# EAGLE board Mk4 Final Panel (EAGLE 9.0.1), part 13 of 18
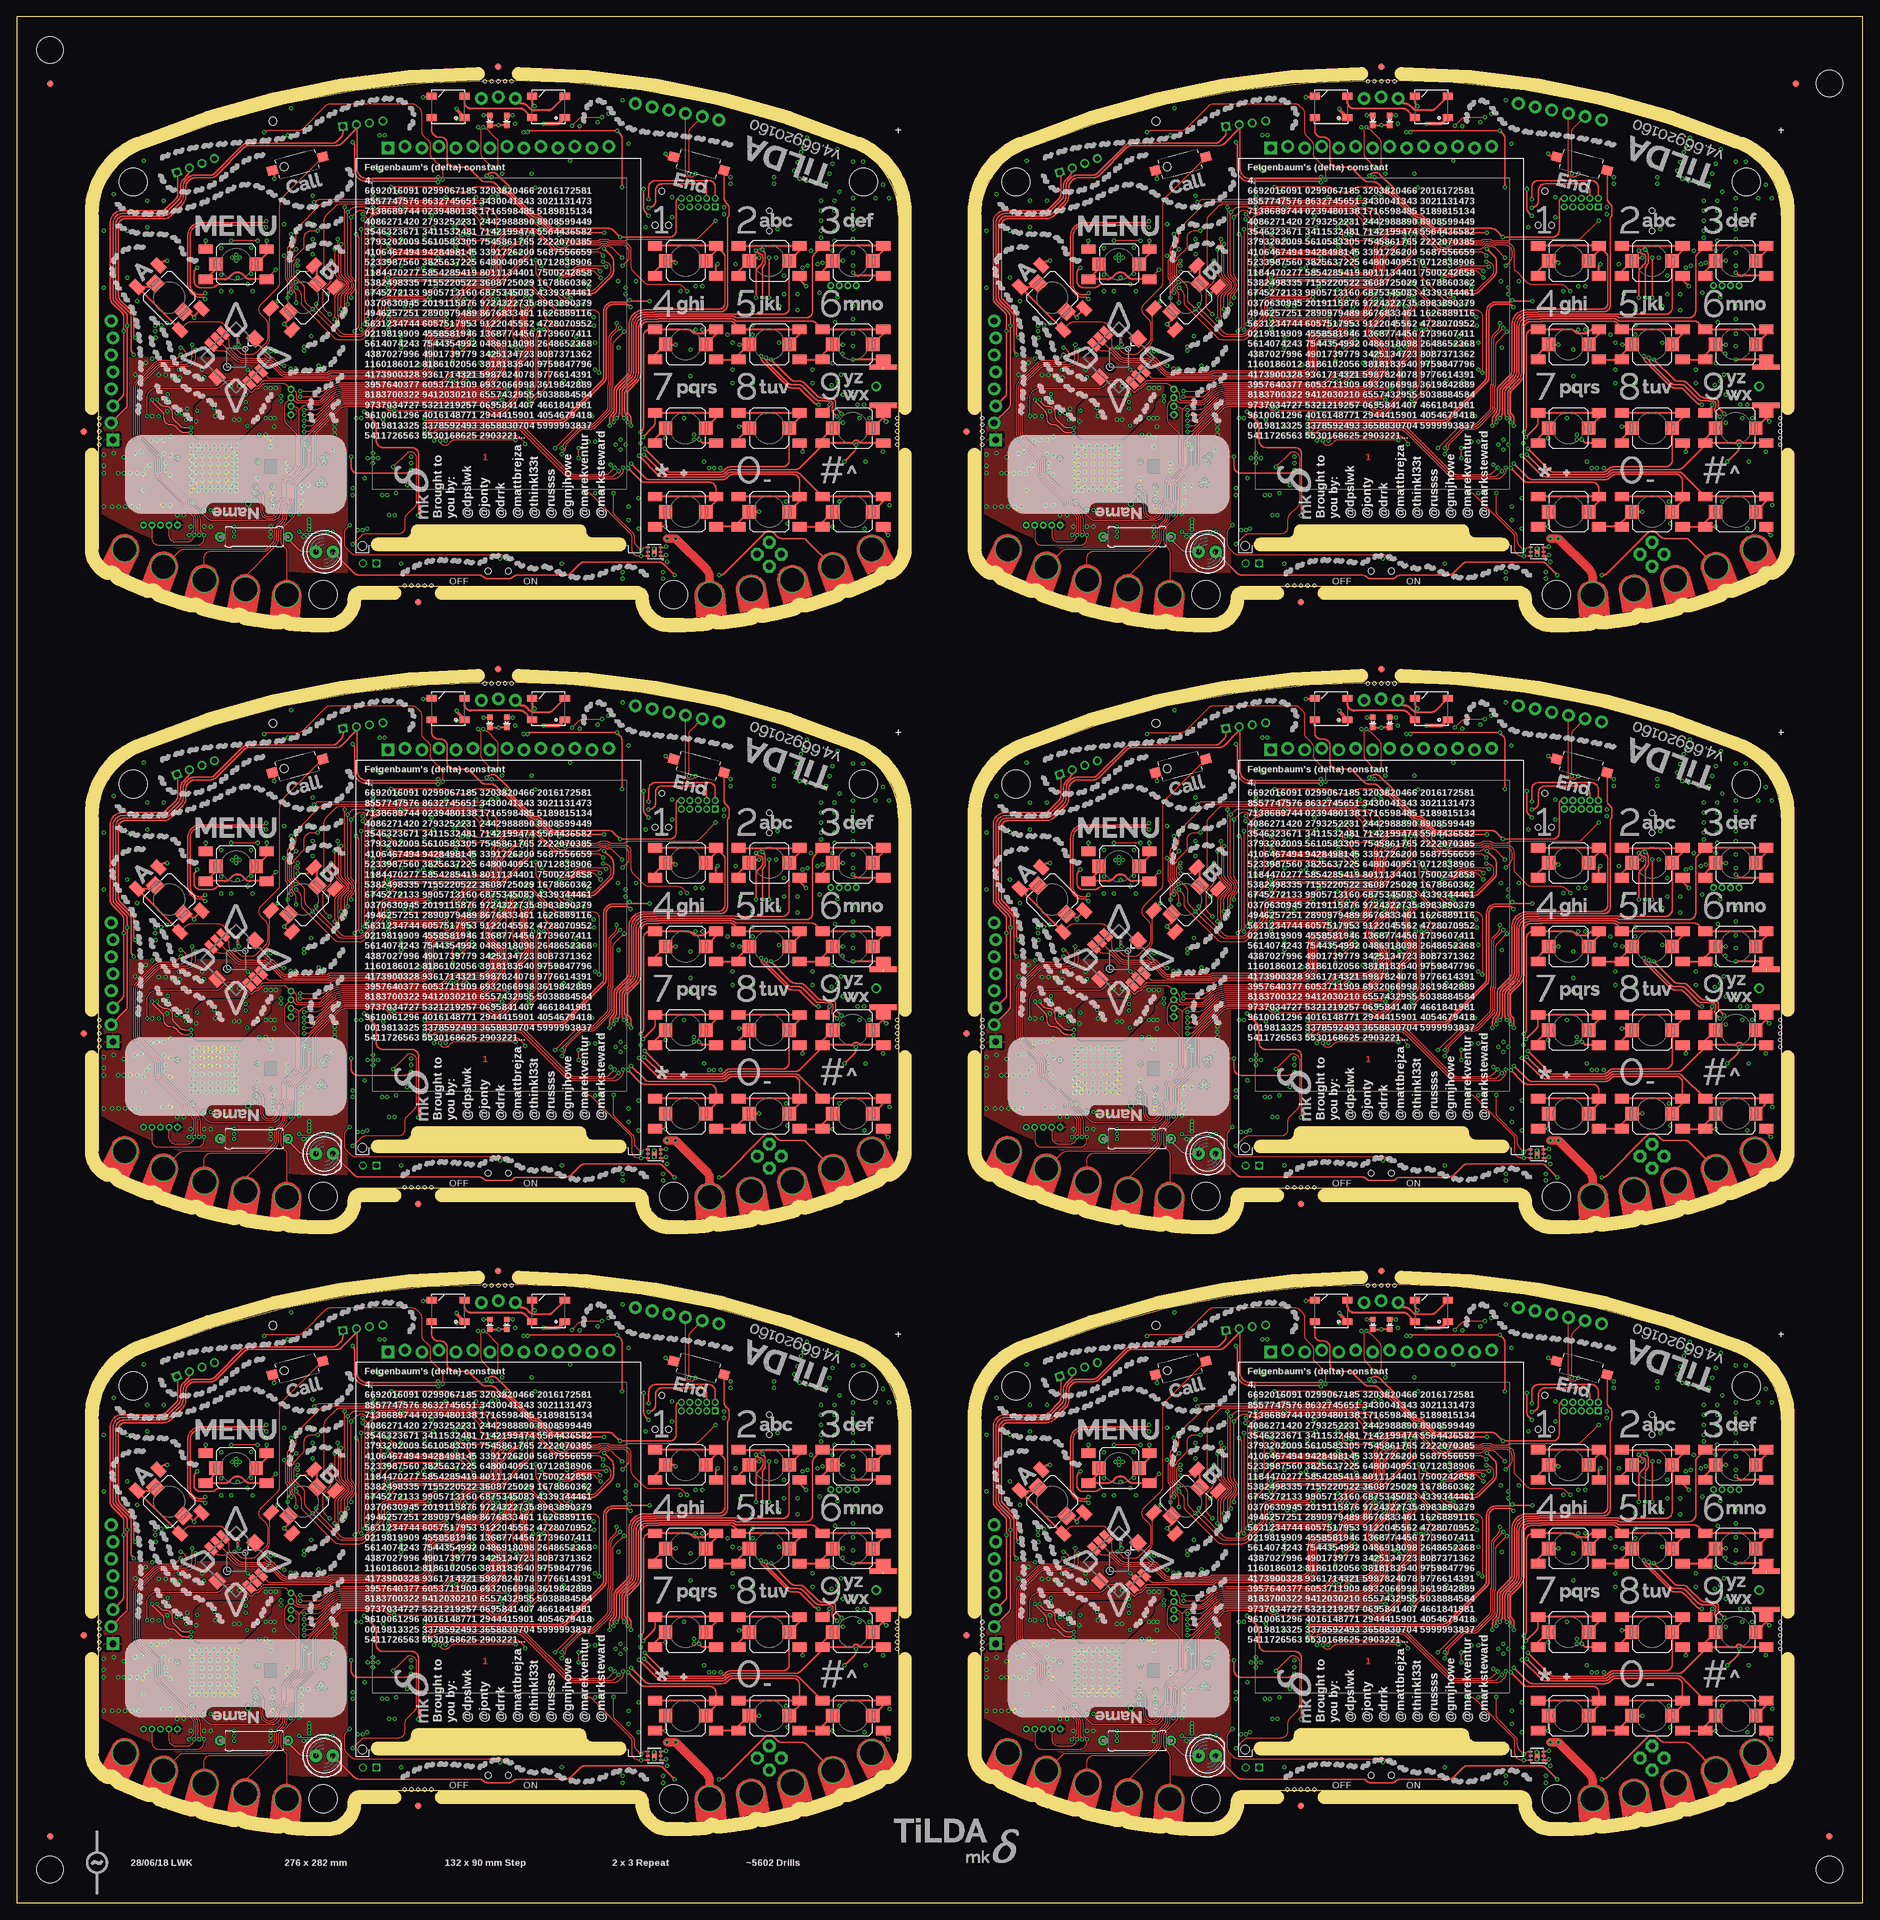
[diagram p0: board, top side]
## Tracks (layer width: path | path; a pad name or v marks a point on that pad's centre or on a via) (continued)
SDRAM_A44  (via drill 0.3) (continued)
  Top 0.15: v180,158.75 179.97,158.72 179.97,157.58 arc45 180.02,157.48 arc-45 180.07,157.34 180.07,153.8 arc45 180.37,153.09 181.24,152.23 arc-90 181.24,151.52 180.27,150.55 arc45 179.97,149.85 179.97,147.4 180.03,147.35 180.03,146.03 v180,146 | v200.25,156 199.54,156.71 arc45 198.84,157 195.67,157 arc-45 195.53,157.06 195.53,157.07 arc45 195.38,157.12 188.79,157.12 arc-45 188.08,157.42 v187.5,158
  Bottom 0.15: v200.25,156 201.11,155.14 arc-45 201.4,154.44 IC56.23 | v180,158.75 180.09,158.75 arc-45 180.79,158.46 180.96,158.29 arc45 181.66,158 185.42,158 arc-45 185.56,157.94 arc45 185.66,157.9 IC55.10 186.82,157.9 arc45 186.96,157.96 arc-45 187.06,158 v187.5,158 | IC55.30 175.59,145.9 arc45 175.69,145.94 arc-45 175.83,146 v180,146
SDRAM_A45  (via drill 0.3)
  Top 0.15: v179.5,157.25 179.5,155.74 179.53,155.72 179.53,153.93 arc45 179.82,153.22 180.99,152.05 arc-90 180.99,151.7 179.79,150.5 arc45 179.5,149.8 v179.5,146.75 | v200.25,155.25 199.09,156.41 arc45 198.39,156.7 195.55,156.7 arc-45 195.41,156.76 195.4,156.77 arc45 195.26,156.82 188.34,156.82 arc-45 187.63,157.12 v187.5,157.25
  Bottom 0.15: v200.25,155.25 200.71,154.79 arc-45 201,154.09 IC56.24 | v179.5,157.25 185.42,157.25 arc-45 185.56,157.19 185.59,157.16 arc45 185.73,157.1 IC55.11 186.77,157.1 arc45 186.91,157.16 186.94,157.19 arc-45 187.08,157.25 v187.5,157.25 | IC55.31 175.7,146.7 arc-45 175.82,146.75 v179.5,146.75
SDRAM_A46  (via drill 0.3)
  Top 0.15: v200.3,154.3 198.49,156.11 arc45 197.79,156.4 195.43,156.4 arc-45 195.28,156.46 195.28,156.47 arc45 195.13,156.53 188.94,156.53 arc45 188.23,156.23 v187.5,155.5 | v179,155.5 179,152.83 arc-45 178.71,152.12 178.14,151.56 arc45 177.85,150.85 177.85,148.81 arc45 178.14,148.11 v178.75,147.5
  Bottom 0.15: v187.5,155.5 IC55.13 v179,155.5 | IC55.32 v178.75,147.5 | IC56.25 200.6,149.26 200.62,149.28 200.62,153.56 arc45 200.33,154.27 v200.3,154.3
SDRAM_A47  (via drill 0.3)
  Top 0.15: v193.75,150.1 v193.74,150.09 arc-45 193.04,149.8 187.75,149.8 arc90 186.5,148.55 186.5,147.5 arc-45 186.21,146.79 183.88,144.47 arc-45 183.18,144.18 180.74,144.18 arc-45 180.03,144.47 v176.25,148.25 175.29,149.21 arc-45 175,149.91 175,151.33 arc45 174.71,152.03 173.47,153.27 arc-45 173.4,153.45 173.4,154.69 arc-45 173.55,155.05 v174,155.5
  Bottom 0.15: IC55.42 v174,155.5 | IC55.33 175.7,148.3 arc45 175.82,148.25 v176.25,148.25 | IC56.40 195.66,151.6 arc45 194.96,151.31 v193.75,150.1
SDRAM_A48  (via drill 0.3)
  Top 0.15: v173.75,149.25 173.75,150.34 arc45 173.46,151.05 173.38,151.12 arc-45 173.16,151.65 173.16,152.58 arc45 173.09,152.76 172.87,152.98 arc-45 172.8,153.16 172.8,155.24 arc-45 172.95,155.59 173.02,155.67 arc45 173.16,156.02 173.16,156.25 arc-45 173.46,156.96 v173.75,157.25 | v194.65,151.75 193.32,150.42 arc-45 192.61,150.12 187.5,150.12 arc90 186,148.62 186,147.42 arc-45 185.71,146.72 183.76,144.77 arc-45 183.05,144.47 181.2,144.47 arc-45 180.49,144.77 177.04,148.22 arc-45 176.75,148.92 v176.75,149
  Bottom 0.15: IC55.44 174.65,157.1 174.65,157.1 arc45 174.29,157.25 v173.75,157.25 | v173.75,149.25 174.29,149.25 arc-45 174.65,149.1 IC55.34 176.51,149.1 arc-45 v176.75,149 | IC56.41 195.25,152 arc45 v194.65,151.75
SDRAM_A49  (via drill 0.3)
  Top 0.15: v187.5,148.25 187.57,148.18 197.35,148.18 arc45 198.06,148.47 198.9,149.31 arc45 199.05,149.66 v199.05,149.8 | v180.5,148.25 180.5,149.95 arc-45 180.79,150.65 181.48,151.34 arc90 181.48,152.4 180.79,153.09 arc-45 180.5,153.8 v180.5,158
  Bottom 0.15: IC55.45 175.82,157.9 arc45 175.96,157.96 arc-45 176.06,158 v180.5,158 | v187.5,148.25 187,148.25 186.95,148.3 IC55.22 185.8,148.3 arc-45 185.68,148.25 v180.5,148.25 | IC56.50 197.54,155.6 arc-45 198.24,155.31 198.76,154.79 arc-45 199.05,154.09 v199.05,149.8
SDRAM_A50  (via drill 0.3)
  Top 0.15: v173,150.75 173,151.08 172.86,151.22 172.86,152.46 arc45 172.79,152.64 172.57,152.85 arc-45 172.5,153.03 172.5,155.37 arc-45 172.65,155.72 172.72,155.79 arc45 172.86,156.14 172.86,156.95 arc-45 173.16,157.66 173.46,157.96 arc45 173.75,158.66 v173.75,160.25 177.53,164.03 arc-45 178.24,164.32 188.73,164.32 188.79,164.38 arc-90 190.21,164.38 190.42,164.18 200.97,164.18 arc-45 v201.47,163.97
  Bottom 0.15: IC55.48 174.55,160.3 174.5,160.25 v173.75,160.25 | IC55.36 174.55,150.7 174.5,150.75 v173,150.75 | v201.47,163.97 201.8,163.64 IC56.75
SDRAM_A51  (via drill 0.3)
  Top 0.15: v173,159.5 173,158.41 arc-45 172.71,157.71 arc45 172.5,157.21 172.5,156.49 172.53,156.47 172.53,156.1 arc-45 172.47,155.98 172.47,155.97 172.35,155.84 arc45 172.2,155.49 172.2,152.91 arc45 172.27,152.73 172.4,152.6 arc-45 172.47,152.42 172.47,150.53 172.5,150.51 v172.5,150 | v185.25,150.75 186.68,152.18 arc45 186.97,152.89 186.97,153.71 arc-45 187.27,154.42 188.46,155.61 arc-45 189.16,155.9 193.94,155.9 arc-45 194.64,155.61 194.96,155.29 arc45 195.66,155 v197.75,155
  Bottom 0.15: IC55.47 v173,159.5 | v172.5,150 174.42,150 arc-45 174.56,149.94 174.6,149.9 IC55.35 180.49,149.9 arc45 181.19,150.19 181.46,150.46 arc-45 182.16,150.75 v185.25,150.75 | IC56.49 197.27,155.2 arc-45 v197.75,155
SDRAM_A52  (via drill 0.3)
  Top 0.15: v49,253.5 v49,253.49 48.98,253.47 48.98,248.27 49.02,248.22 49.02,243.7 arc45 49.32,242.99 49.73,242.58 arc-90 49.73,241.17 49.27,240.71 arc45 48.98,240 48.98,238.52 49.02,238.47 49.02,238.03 49,238.01 v49,237.5 | v64.3,237.5 63.99,237.19 arc-45 63.29,236.9 56.51,236.9 arc-45 55.81,237.19 v55.5,237.5
  Bottom 0.15: IC73.2 50.21,254.3 arc45 49.51,254.01 v49,253.5 | IC74.29 67,238.03 arc90 66.5,238.53 66.12,238.53 | v55.5,237.5 IC73.23 v49,237.5 | 66.12,238.53 | 66.12,238.53 65.68,238.53 arc45 65.08,238.28 v64.3,237.5
SDRAM_A53  (via drill 0.3)
  Top 0.15: v64.3,236.75 arc-45 63.94,236.6 55.86,236.6 arc-45 v55.5,236.75 | v51.75,252.5 52.11,252.14 arc-45 52.4,251.44 52.4,250.13 arc45 52.44,250.03 arc-45 52.5,249.89 v52.5,236.75
  Bottom 0.15: v51.75,252.5 arc-45 52.23,252.7 IC73.4 | IC74.30 66.6,237.97 arc90 66.35,238.22 65.68,238.22 arc45 65.33,238.08 65.21,237.96 arc45 65,237.45 arc-90 v64.3,236.75 | v55.5,236.75 55.07,236.75 arc45 54.95,236.7 IC73.24 53.8,236.7 53.75,236.75 v52.5,236.75
SDRAM_A54  (via drill 0.3)
  Top 0.15: v51.7,251.75 51.73,251.72 arc-45 52.02,251.01 52.02,238.4 51.98,238.35 51.98,236.03 v52,236 | v64.3,236 v64.29,236.01 arc45 63.59,236.3 56.21,236.3 arc45 v55.51,236.01 v55.5,236
  Bottom 0.15: v51.7,251.75 arc-45 52.06,251.9 IC73.5 | v55.5,236 55.08,236 arc45 54.94,235.94 54.9,235.9 IC73.25 53.85,235.9 53.81,235.94 arc45 53.67,236 v52,236 | IC74.31 66.2,235.85 arc-90 65.7,235.35 64.8,235.35 arc-90 64.3,235.85 v64.3,236 v64.3,235.99
SDRAM_A55  (via drill 0.3)
  Top 0.15: v51.5,250.25 51.48,250.22 51.48,235.28 v51.5,235.25 | v55.5,235.25 55.96,235.71 arc-45 56.66,236 63.14,236 arc-45 63.84,235.71 64.02,235.53 arc90 64.73,235.53 v65.2,236
  Bottom 0.15: v55.5,235.25 55,235.25 54.85,235.1 IC73.26 53.9,235.1 53.81,235.19 arc45 53.67,235.25 v51.5,235.25 | v65.2,236 65.3,236 arc90 65.8,236.5 IC74.32 | v51.5,250.25 51.52,250.25 51.57,250.2 52.61,250.2 arc-45 52.75,250.14 52.77,250.11 arc90 53.84,250.11 54.02,250.3 IC73.7
SDRAM_A56  (via drill 0.3)
  Top 0.15: v55.5,249.5 56.58,248.42 arc45 57.29,248.12 66.71,248.12 arc-45 67.42,247.83 v68.25,247 | v50.75,249.5 50.95,249.3 arc-45 51.1,248.94 51.1,235.76 arc-45 50.95,235.4 v50.55,235
  Bottom 0.15: IC74.22 69.8,245.04 arc45 69.51,245.74 v68.25,247 | v50.75,249.5 IC73.8 v55.5,249.5 | IC73.29 43.59,235.1 arc-45 43.69,235.06 arc45 43.83,235 v50.55,235
SDRAM_A57  (via drill 0.3)
  Top 0.15: v48,248.75 47.98,248.72 47.98,247.58 arc45 48.02,247.48 arc-45 48.08,247.34 48.08,243.8 arc45 48.37,243.09 49.23,242.23 arc-90 49.23,241.52 48.27,240.55 arc45 47.98,239.85 47.98,237.4 48.02,237.35 48.02,236.03 v48,236 | v68.25,246 67.54,246.71 arc45 66.84,247 63.67,247 arc-45 63.53,247.06 63.52,247.07 arc45 63.38,247.12 56.79,247.12 arc-45 56.08,247.42 v55.5,248
  Bottom 0.15: v68.25,246 69.11,245.14 arc-45 69.4,244.44 IC74.23 | v48,248.75 48.09,248.75 arc-45 48.79,248.46 48.96,248.29 arc45 49.66,248 53.42,248 arc-45 53.56,247.94 arc45 53.66,247.9 IC73.10 54.82,247.9 arc45 54.96,247.96 arc-45 55.06,248 v55.5,248 | IC73.30 43.59,235.9 arc45 43.69,235.94 arc-45 43.83,236 v48,236
SDRAM_A58  (via drill 0.3)
  Top 0.15: v47.5,247.25 47.5,245.74 47.52,245.72 47.52,243.93 arc45 47.82,243.22 48.99,242.05 arc-90 48.99,241.7 47.79,240.5 arc45 47.5,239.8 v47.5,236.75 | v68.25,245.25 67.09,246.41 arc45 66.39,246.7 63.55,246.7 arc-45 63.41,246.76 63.4,246.77 arc45 63.26,246.82 56.34,246.82 arc-45 55.63,247.12 v55.5,247.25
  Bottom 0.15: v68.25,245.25 68.71,244.79 arc-45 69,244.09 IC74.24 | v47.5,247.25 53.42,247.25 arc-45 53.56,247.19 53.59,247.16 arc45 53.73,247.1 IC73.11 54.77,247.1 arc45 54.91,247.16 54.94,247.19 arc-45 55.08,247.25 v55.5,247.25 | IC73.31 43.7,236.7 arc-45 43.82,236.75 v47.5,236.75
SDRAM_A59  (via drill 0.3)
  Top 0.15: v68.3,244.3 66.49,246.11 arc45 65.79,246.4 63.42,246.4 arc-45 63.28,246.46 63.28,246.47 arc45 63.13,246.53 56.94,246.53 arc45 56.23,246.23 v55.5,245.5 | v47,245.5 47,242.83 arc-45 46.71,242.12 46.14,241.56 arc45 45.85,240.85 45.85,238.81 arc45 46.14,238.11 v46.75,237.5
  Bottom 0.15: v55.5,245.5 IC73.13 v47,245.5 | IC73.32 v46.75,237.5 | IC74.25 68.6,239.26 68.62,239.28 68.62,243.56 arc45 68.33,244.27 v68.3,244.3
SDRAM_A60  (via drill 0.3)
  Top 0.15: v61.75,240.1 v61.74,240.09 arc-45 61.04,239.8 55.75,239.8 arc90 54.5,238.55 54.5,237.5 arc-45 54.21,236.79 51.89,234.47 arc-45 51.18,234.18 48.74,234.18 arc-45 48.03,234.47 v44.25,238.25 43.29,239.21 arc-45 43,239.91 43,241.33 arc45 42.71,242.03 41.47,243.27 arc-45 41.4,243.45 41.4,244.69 arc-45 41.55,245.05 v42,245.5
  Bottom 0.15: IC73.42 v42,245.5 | IC73.33 43.7,238.3 arc45 43.82,238.25 v44.25,238.25 | IC74.40 63.66,241.6 arc45 62.96,241.31 v61.75,240.1
SDRAM_A61  (via drill 0.3)
  Top 0.15: v41.75,239.25 41.75,240.34 arc45 41.46,241.05 41.38,241.12 arc-45 41.16,241.65 41.16,242.58 arc45 41.09,242.76 40.87,242.98 arc-45 40.8,243.16 40.8,245.24 arc-45 40.95,245.59 41.02,245.67 arc45 41.16,246.02 41.16,246.25 arc-45 41.46,246.96 v41.75,247.25 | v62.65,241.75 61.32,240.42 arc-45 60.61,240.12 55.5,240.12 arc90 54,238.62 54,237.42 arc-45 53.71,236.72 51.76,234.77 arc-45 51.05,234.47 49.2,234.47 arc-45 48.49,234.77 45.04,238.22 arc-45 44.75,238.92 v44.75,239
  Bottom 0.15: IC73.44 42.65,247.1 42.65,247.1 arc45 42.29,247.25 v41.75,247.25 | v41.75,239.25 42.29,239.25 arc-45 42.65,239.1 IC73.34 44.51,239.1 arc-45 v44.75,239 | IC74.41 63.25,242 arc45 v62.65,241.75
SDRAM_A62  (via drill 0.3)
  Top 0.15: v55.5,238.25 55.58,238.18 65.35,238.18 arc45 66.06,238.47 66.9,239.31 arc45 67.05,239.66 v67.05,239.8 | v48.5,238.25 48.5,239.95 arc-45 48.79,240.65 49.48,241.34 arc90 49.48,242.4 48.79,243.09 arc-45 48.5,243.8 v48.5,248
  Bottom 0.15: IC73.45 43.82,247.9 arc45 43.96,247.96 arc-45 44.06,248 v48.5,248 | v55.5,238.25 55,238.25 54.95,238.3 IC73.22 53.8,238.3 arc-45 53.68,238.25 v48.5,238.25 | IC74.50 65.54,245.6 arc-45 66.24,245.31 66.76,244.79 arc-45 67.05,244.09 v67.05,239.8
SDRAM_A63  (via drill 0.3)
  Top 0.15: v41,240.75 41,241.08 40.86,241.22 40.86,242.46 arc45 40.79,242.64 40.57,242.85 arc-45 40.5,243.03 40.5,245.37 arc-45 40.65,245.72 40.72,245.79 arc45 40.86,246.14 40.86,246.95 arc-45 41.16,247.66 41.46,247.96 arc45 41.75,248.66 v41.75,250.25 45.53,254.03 arc-45 46.24,254.32 56.73,254.32 56.79,254.38 arc-90 58.21,254.38 58.42,254.18 68.97,254.18 arc-45 v69.47,253.97
  Bottom 0.15: IC73.48 42.55,250.3 42.5,250.25 v41.75,250.25 | IC73.36 42.55,240.7 42.5,240.75 v41,240.75 | v69.47,253.97 69.8,253.64 IC74.75
SDRAM_A64  (via drill 0.3)
  Top 0.15: v41,249.5 41,248.41 arc-45 40.71,247.71 arc45 40.5,247.21 40.5,246.49 40.52,246.47 40.52,246.1 arc-45 40.48,245.98 40.48,245.97 40.35,245.84 arc45 40.2,245.49 40.2,242.91 arc45 40.27,242.73 40.4,242.6 arc-45 40.48,242.42 40.48,240.53 40.5,240.51 v40.5,240 | v53.25,240.75 54.68,242.18 arc45 54.98,242.89 54.98,243.71 arc-45 55.27,244.42 56.46,245.61 arc-45 57.16,245.9 61.94,245.9 arc-45 62.64,245.61 62.96,245.29 arc45 63.66,245 v65.75,245
  Bottom 0.15: IC73.47 v41,249.5 | v40.5,240 42.42,240 arc-45 42.56,239.94 42.6,239.9 IC73.35 48.49,239.9 arc45 49.19,240.19 49.46,240.46 arc-45 50.16,240.75 v53.25,240.75 | IC74.49 65.27,245.2 arc-45 v65.75,245
SDRAM_A65  (via drill 0.3)
  Top 0.15: v181,253.5 v181,253.49 180.97,253.47 180.97,248.27 181.03,248.22 181.03,243.7 arc45 181.32,242.99 181.73,242.58 arc-90 181.73,241.17 181.27,240.71 arc45 180.97,240 180.97,238.52 181.03,238.47 181.03,238.03 181,238.01 v181,237.5 | v196.3,237.5 195.99,237.19 arc-45 195.29,236.9 188.51,236.9 arc-45 187.81,237.19 v187.5,237.5
  Bottom 0.15: IC91.2 182.21,254.3 arc45 181.51,254.01 v181,253.5 | IC92.29 199,238.03 arc90 198.5,238.53 198.12,238.53 | v187.5,237.5 IC91.23 v181,237.5 | 198.12,238.53 | 198.12,238.53 197.68,238.53 arc45 197.08,238.28 v196.3,237.5
SDRAM_A66  (via drill 0.3)
  Top 0.15: v196.3,236.75 arc-45 195.94,236.6 187.86,236.6 arc-45 v187.5,236.75 | v183.75,252.5 184.11,252.14 arc-45 184.4,251.44 184.4,250.13 arc45 184.44,250.03 arc-45 184.5,249.89 v184.5,236.75
  Bottom 0.15: v183.75,252.5 arc-45 184.23,252.7 IC91.4 | IC92.30 198.6,237.97 arc90 198.35,238.22 197.68,238.22 arc45 197.33,238.08 197.21,237.96 arc45 197,237.45 arc-90 v196.3,236.75 | v187.5,236.75 187.07,236.75 arc45 186.95,236.7 IC91.24 185.8,236.7 185.75,236.75 v184.5,236.75
SDRAM_A67  (via drill 0.3)
  Top 0.15: v183.7,251.75 183.73,251.72 arc-45 184.03,251.01 184.03,238.4 183.97,238.35 183.97,236.03 v184,236 | v196.3,236 v196.29,236.01 arc45 195.59,236.3 188.21,236.3 arc45 v187.51,236.01 v187.5,236
  Bottom 0.15: v183.7,251.75 arc-45 184.06,251.9 IC91.5 | v187.5,236 187.08,236 arc45 186.94,235.94 186.9,235.9 IC91.25 185.85,235.9 185.81,235.94 arc45 185.67,236 v184,236 | IC92.31 198.2,235.85 arc-90 197.7,235.35 196.8,235.35 arc-90 196.3,235.85 v196.3,236 v196.3,235.99
SDRAM_A68  (via drill 0.3)
  Top 0.15: v183.5,250.25 183.47,250.22 183.47,235.28 v183.5,235.25 | v187.5,235.25 187.96,235.71 arc-45 188.66,236 195.14,236 arc-45 195.84,235.71 196.02,235.53 arc90 196.73,235.53 v197.2,236
  Bottom 0.15: v187.5,235.25 187,235.25 186.85,235.1 IC91.26 185.9,235.1 185.81,235.19 arc45 185.67,235.25 v183.5,235.25 | v197.2,236 197.3,236 arc90 197.8,236.5 IC92.32 | v183.5,250.25 183.52,250.25 183.57,250.2 184.61,250.2 arc-45 184.75,250.14 184.78,250.11 arc90 185.83,250.11 186.02,250.3 IC91.7
SDRAM_A69  (via drill 0.3)
  Top 0.15: v187.5,249.5 188.58,248.42 arc45 189.29,248.12 198.71,248.12 arc-45 199.42,247.83 v200.25,247 | v182.75,249.5 182.95,249.3 arc-45 183.1,248.94 183.1,235.76 arc-45 182.95,235.4 v182.55,235
  Bottom 0.15: IC92.22 201.8,245.04 arc45 201.51,245.74 v200.25,247 | v182.75,249.5 IC91.8 v187.5,249.5 | IC91.29 175.59,235.1 arc-45 175.69,235.06 arc45 175.83,235 v182.55,235
SDRAM_A70  (via drill 0.3)
  Top 0.15: v180,248.75 179.97,248.72 179.97,247.58 arc45 180.02,247.48 arc-45 180.07,247.34 180.07,243.8 arc45 180.37,243.09 181.24,242.23 arc-90 181.24,241.52 180.27,240.55 arc45 179.97,239.85 179.97,237.4 180.03,237.35 180.03,236.03 v180,236 | v200.25,246 199.54,246.71 arc45 198.84,247 195.67,247 arc-45 195.53,247.06 195.53,247.07 arc45 195.38,247.12 188.79,247.12 arc-45 188.08,247.42 v187.5,248
  Bottom 0.15: v200.25,246 201.11,245.14 arc-45 201.4,244.44 IC92.23 | v180,248.75 180.09,248.75 arc-45 180.79,248.46 180.96,248.29 arc45 181.66,248 185.42,248 arc-45 185.56,247.94 arc45 185.66,247.9 IC91.10 186.82,247.9 arc45 186.96,247.96 arc-45 187.06,248 v187.5,248 | IC91.30 175.59,235.9 arc45 175.69,235.94 arc-45 175.83,236 v180,236
SDRAM_A71  (via drill 0.3)
  Top 0.15: v179.5,247.25 179.5,245.74 179.53,245.72 179.53,243.93 arc45 179.82,243.22 180.99,242.05 arc-90 180.99,241.7 179.79,240.5 arc45 179.5,239.8 v179.5,236.75 | v200.25,245.25 199.09,246.41 arc45 198.39,246.7 195.55,246.7 arc-45 195.41,246.76 195.4,246.77 arc45 195.26,246.82 188.34,246.82 arc-45 187.63,247.12 v187.5,247.25
  Bottom 0.15: v200.25,245.25 200.71,244.79 arc-45 201,244.09 IC92.24 | v179.5,247.25 185.42,247.25 arc-45 185.56,247.19 185.59,247.16 arc45 185.73,247.1 IC91.11 186.77,247.1 arc45 186.91,247.16 186.94,247.19 arc-45 187.08,247.25 v187.5,247.25 | IC91.31 175.7,236.7 arc-45 175.82,236.75 v179.5,236.75
SDRAM_A72  (via drill 0.3)
  Top 0.15: v200.3,244.3 198.49,246.11 arc45 197.79,246.4 195.43,246.4 arc-45 195.28,246.46 195.28,246.47 arc45 195.13,246.53 188.94,246.53 arc45 188.23,246.23 v187.5,245.5 | v179,245.5 179,242.83 arc-45 178.71,242.12 178.14,241.56 arc45 177.85,240.85 177.85,238.81 arc45 178.14,238.11 v178.75,237.5
  Bottom 0.15: v187.5,245.5 IC91.13 v179,245.5 | IC91.32 v178.75,237.5 | IC92.25 200.6,239.26 200.62,239.28 200.62,243.56 arc45 200.33,244.27 v200.3,244.3
SDRAM_A73  (via drill 0.3)
  Top 0.15: v193.75,240.1 v193.74,240.09 arc-45 193.04,239.8 187.75,239.8 arc90 186.5,238.55 186.5,237.5 arc-45 186.21,236.79 183.88,234.47 arc-45 183.18,234.18 180.74,234.18 arc-45 180.03,234.47 v176.25,238.25 175.29,239.21 arc-45 175,239.91 175,241.33 arc45 174.71,242.03 173.47,243.27 arc-45 173.4,243.45 173.4,244.69 arc-45 173.55,245.05 v174,245.5
  Bottom 0.15: IC91.42 v174,245.5 | IC91.33 175.7,238.3 arc45 175.82,238.25 v176.25,238.25 | IC92.40 195.66,241.6 arc45 194.96,241.31 v193.75,240.1
SDRAM_A74  (via drill 0.3)
  Top 0.15: v173.75,239.25 173.75,240.34 arc45 173.46,241.05 173.38,241.12 arc-45 173.16,241.65 173.16,242.58 arc45 173.09,242.76 172.87,242.98 arc-45 172.8,243.16 172.8,245.24 arc-45 172.95,245.59 173.02,245.67 arc45 173.16,246.02 173.16,246.25 arc-45 173.46,246.96 v173.75,247.25 | v194.65,241.75 193.32,240.42 arc-45 192.61,240.12 187.5,240.12 arc90 186,238.62 186,237.42 arc-45 185.71,236.72 183.76,234.77 arc-45 183.05,234.47 181.2,234.47 arc-45 180.49,234.77 177.04,238.22 arc-45 176.75,238.92 v176.75,239
  Bottom 0.15: IC91.44 174.65,247.1 174.65,247.1 arc45 174.29,247.25 v173.75,247.25 | v173.75,239.25 174.29,239.25 arc-45 174.65,239.1 IC91.34 176.51,239.1 arc-45 v176.75,239 | IC92.41 195.25,242 arc45 v194.65,241.75
SDRAM_A75  (via drill 0.3)
  Top 0.15: v187.5,238.25 187.57,238.18 197.35,238.18 arc45 198.06,238.47 198.9,239.31 arc45 199.05,239.66 v199.05,239.8 | v180.5,238.25 180.5,239.95 arc-45 180.79,240.65 181.48,241.34 arc90 181.48,242.4 180.79,243.09 arc-45 180.5,243.8 v180.5,248
  Bottom 0.15: IC91.45 175.82,247.9 arc45 175.96,247.96 arc-45 176.06,248 v180.5,248 | v187.5,238.25 187,238.25 186.95,238.3 IC91.22 185.8,238.3 arc-45 185.68,238.25 v180.5,238.25 | IC92.50 197.54,245.6 arc-45 198.24,245.31 198.76,244.79 arc-45 199.05,244.09 v199.05,239.8
SDRAM_A76  (via drill 0.3)
  Top 0.15: v173,240.75 173,241.08 172.86,241.22 172.86,242.46 arc45 172.79,242.64 172.57,242.85 arc-45 172.5,243.03 172.5,245.37 arc-45 172.65,245.72 172.72,245.79 arc45 172.86,246.14 172.86,246.95 arc-45 173.16,247.66 173.46,247.96 arc45 173.75,248.66 v173.75,250.25 177.53,254.03 arc-45 178.24,254.32 188.73,254.32 188.79,254.38 arc-90 190.21,254.38 190.42,254.18 200.97,254.18 arc-45 v201.47,253.97
  Bottom 0.15: IC91.48 174.55,250.3 174.5,250.25 v173.75,250.25 | IC91.36 174.55,240.7 174.5,240.75 v173,240.75 | v201.47,253.97 201.8,253.64 IC92.75
SDRAM_A77  (via drill 0.3)
  Top 0.15: v173,249.5 173,248.41 arc-45 172.71,247.71 arc45 172.5,247.21 172.5,246.49 172.53,246.47 172.53,246.1 arc-45 172.47,245.98 172.47,245.97 172.35,245.84 arc45 172.2,245.49 172.2,242.91 arc45 172.27,242.73 172.4,242.6 arc-45 172.47,242.42 172.47,240.53 172.5,240.51 v172.5,240 | v185.25,240.75 186.68,242.18 arc45 186.97,242.89 186.97,243.71 arc-45 187.27,244.42 188.46,245.61 arc-45 189.16,245.9 193.94,245.9 arc-45 194.64,245.61 194.96,245.29 arc45 195.66,245 v197.75,245
  Bottom 0.15: IC91.47 v173,249.5 | v172.5,240 174.42,240 arc-45 174.56,239.94 174.6,239.9 IC91.35 180.49,239.9 arc45 181.19,240.19 181.46,240.46 arc-45 182.16,240.75 v185.25,240.75 | IC92.49 197.27,245.2 arc-45 v197.75,245
SDRAM_BA0  (via drill 0.3)
  Top 0.15: v50,60 50,60.38 arc-45 50.15,60.73 50.29,60.88 arc90 50.29,62.87 arc-45 50,63.57 v50,72 50.73,72.73 arc-45 51.44,73.03 51.76,73.03 arc-45 52.11,72.88 52.17,72.82 arc45 52.52,72.67 53.39,72.67 arc45 53.74,72.82 53.92,73.01 arc-45 54.63,73.3 56.96,73.3 57.15,73.11 arc90 57.85,73.11 58.02,73.28 67.69,73.28 arc-45 68.05,73.13 68.25,72.93 arc45 68.45,72.84 arc-45 68.8,72.7 v70,71.5
  Bottom 0.15: IC2.50 49.9,71.9 v50,72 | IC2.20 53.91,59.9 arc-45 53.81,59.94 arc45 53.67,60 v50,60 | v70,71.5 arc45 70.2,71.98 IC1.76
SDRAM_BA1  (via drill 0.3)
  Top 0.15: v49.5,59 49.48,59.02 49.48,60.07 arc-45 49.77,60.78 49.98,60.99 arc90 49.98,62.76 49.77,62.97 arc-45 49.48,63.67 49.48,72.72 v49.5,72.75 49.96,73.21 arc-45 50.66,73.5 52.09,73.5 arc-45 52.8,73.21 52.88,73.13 arc90 53.62,73.13 53.8,73.31 arc-45 54.51,73.6 56.86,73.6 57.15,73.89 arc-90 57.85,73.89 58.17,73.58 67.82,73.58 arc-45 68.17,73.43 68.31,73.29 arc45 68.66,73.15 69.5,73.15 arc-90 70.5,72.15 70.5,72.1 arc45 v70.75,71.5
  Bottom 0.15: v49.5,59 54.28,59 IC2.21 | v49.5,72.75 49.45,72.7 IC2.51 | v70.75,71.5 arc-45 70.6,71.86 IC1.77
SDRAM_BA2  (via drill 0.3)
  Top 0.15: v181.5,59 181.47,59.02 181.47,60.07 arc-45 181.77,60.78 181.98,60.99 arc90 181.98,62.76 181.77,62.97 arc-45 181.47,63.67 181.47,72.72 v181.5,72.75 181.96,73.21 arc-45 182.66,73.5 184.09,73.5 arc-45 184.8,73.21 184.88,73.13 arc90 185.62,73.13 185.8,73.31 arc-45 186.51,73.6 188.86,73.6 189.15,73.89 arc-90 189.85,73.89 190.17,73.58 199.82,73.58 arc-45 200.17,73.43 200.31,73.29 arc45 200.66,73.15 201.5,73.15 arc-90 202.5,72.15 202.5,72.1 arc45 v202.75,71.5
  Bottom 0.15: v181.5,59 186.28,59 IC19.21 | v181.5,72.75 181.45,72.7 IC19.51 | v202.75,71.5 arc-45 202.6,71.86 IC20.77
SDRAM_BA3  (via drill 0.3)
  Top 0.15: v182,60 182,60.38 arc-45 182.15,60.73 182.29,60.88 arc90 182.29,62.87 arc-45 182,63.57 v182,72 182.73,72.73 arc-45 183.44,73.03 183.76,73.03 arc-45 184.11,72.88 184.17,72.82 arc45 184.53,72.67 185.38,72.67 arc45 185.74,72.82 185.92,73.01 arc-45 186.63,73.3 188.96,73.3 189.15,73.11 arc90 189.85,73.11 190.02,73.28 199.69,73.28 arc-45 200.05,73.13 200.25,72.93 arc45 200.45,72.84 arc-45 200.8,72.7 v202,71.5
  Bottom 0.15: IC19.50 181.9,71.9 v182,72 | IC19.20 185.91,59.9 arc-45 185.81,59.94 arc45 185.67,60 v182,60 | v202,71.5 arc45 202.2,71.98 IC20.76
SDRAM_BA4  (via drill 0.3)
  Top 0.15: v49.5,149 49.48,149.03 49.48,150.07 arc-45 49.77,150.78 49.98,150.99 arc90 49.98,152.76 49.77,152.97 arc-45 49.48,153.67 49.48,162.72 v49.5,162.75 49.96,163.21 arc-45 50.66,163.5 52.09,163.5 arc-45 52.8,163.21 52.88,163.13 arc90 53.62,163.13 53.8,163.31 arc-45 54.51,163.6 56.86,163.6 57.15,163.89 arc-90 57.85,163.89 58.17,163.57 67.82,163.57 arc-45 68.17,163.43 68.31,163.29 arc45 68.66,163.15 69.5,163.15 arc-90 70.5,162.15 70.5,162.1 arc45 v70.75,161.5
  Bottom 0.15: v49.5,149 54.28,149 IC37.21 | v49.5,162.75 49.45,162.7 IC37.51 | v70.75,161.5 arc-45 70.6,161.86 IC38.77
SDRAM_BA5  (via drill 0.3)
  Top 0.15: v50,150 50,150.38 arc-45 50.15,150.74 50.29,150.88 arc90 50.29,152.87 arc-45 50,153.57 v50,162 50.73,162.73 arc-45 51.44,163.03 51.76,163.03 arc-45 52.11,162.88 52.17,162.82 arc45 52.52,162.68 53.39,162.68 arc45 53.74,162.82 53.92,163.01 arc-45 54.63,163.3 56.96,163.3 57.15,163.11 arc90 57.85,163.11 58.02,163.28 67.69,163.28 arc-45 68.05,163.13 68.25,162.93 arc45 68.45,162.84 arc-45 68.8,162.7 v70,161.5
  Bottom 0.15: IC37.50 49.9,161.9 v50,162 | IC37.20 53.91,149.9 arc-45 53.81,149.94 arc45 53.67,150 v50,150 | v70,161.5 arc45 70.2,161.98 IC38.76
SDRAM_BA6  (via drill 0.3)
  Top 0.15: v181.5,149 181.47,149.03 181.47,150.07 arc-45 181.77,150.78 181.98,150.99 arc90 181.98,152.76 181.77,152.97 arc-45 181.47,153.67 181.47,162.72 v181.5,162.75 181.96,163.21 arc-45 182.66,163.5 184.09,163.5 arc-45 184.8,163.21 184.88,163.13 arc90 185.62,163.13 185.8,163.31 arc-45 186.51,163.6 188.86,163.6 189.15,163.89 arc-90 189.85,163.89 190.17,163.57 199.82,163.57 arc-45 200.17,163.43 200.31,163.29 arc45 200.66,163.15 201.5,163.15 arc-90 202.5,162.15 202.5,162.1 arc45 v202.75,161.5
  Bottom 0.15: v181.5,149 186.28,149 IC55.21 | v181.5,162.75 181.45,162.7 IC55.51 | v202.75,161.5 arc-45 202.6,161.86 IC56.77
SDRAM_BA7  (via drill 0.3)
  Top 0.15: v182,150 182,150.38 arc-45 182.15,150.74 182.29,150.88 arc90 182.29,152.87 arc-45 182,153.57 v182,162 182.73,162.73 arc-45 183.44,163.03 183.76,163.03 arc-45 184.11,162.88 184.17,162.82 arc45 184.53,162.68 185.38,162.68 arc45 185.74,162.82 185.92,163.01 arc-45 186.63,163.3 188.96,163.3 189.15,163.11 arc90 189.85,163.11 190.02,163.28 199.69,163.28 arc-45 200.05,163.13 200.25,162.93 arc45 200.45,162.84 arc-45 200.8,162.7 v202,161.5
  Bottom 0.15: IC55.50 181.9,161.9 v182,162 | IC55.20 185.91,149.9 arc-45 185.81,149.94 arc45 185.67,150 v182,150 | v202,161.5 arc45 202.2,161.98 IC56.76